# Altium PCB Version_2.PcbDoc (part 1 of 6)
Units mil, origin at the board's own origin, x right, y up, seen from the top; angles counter-clockwise.
Board outline 6692.91 x 6692.91 mil, 4 copper layers (Component Side, Ground Plane, Power, Solder Side), stack 33.234 mil thick; 798 components, 528 nets, 2533 pads, 836 vias.
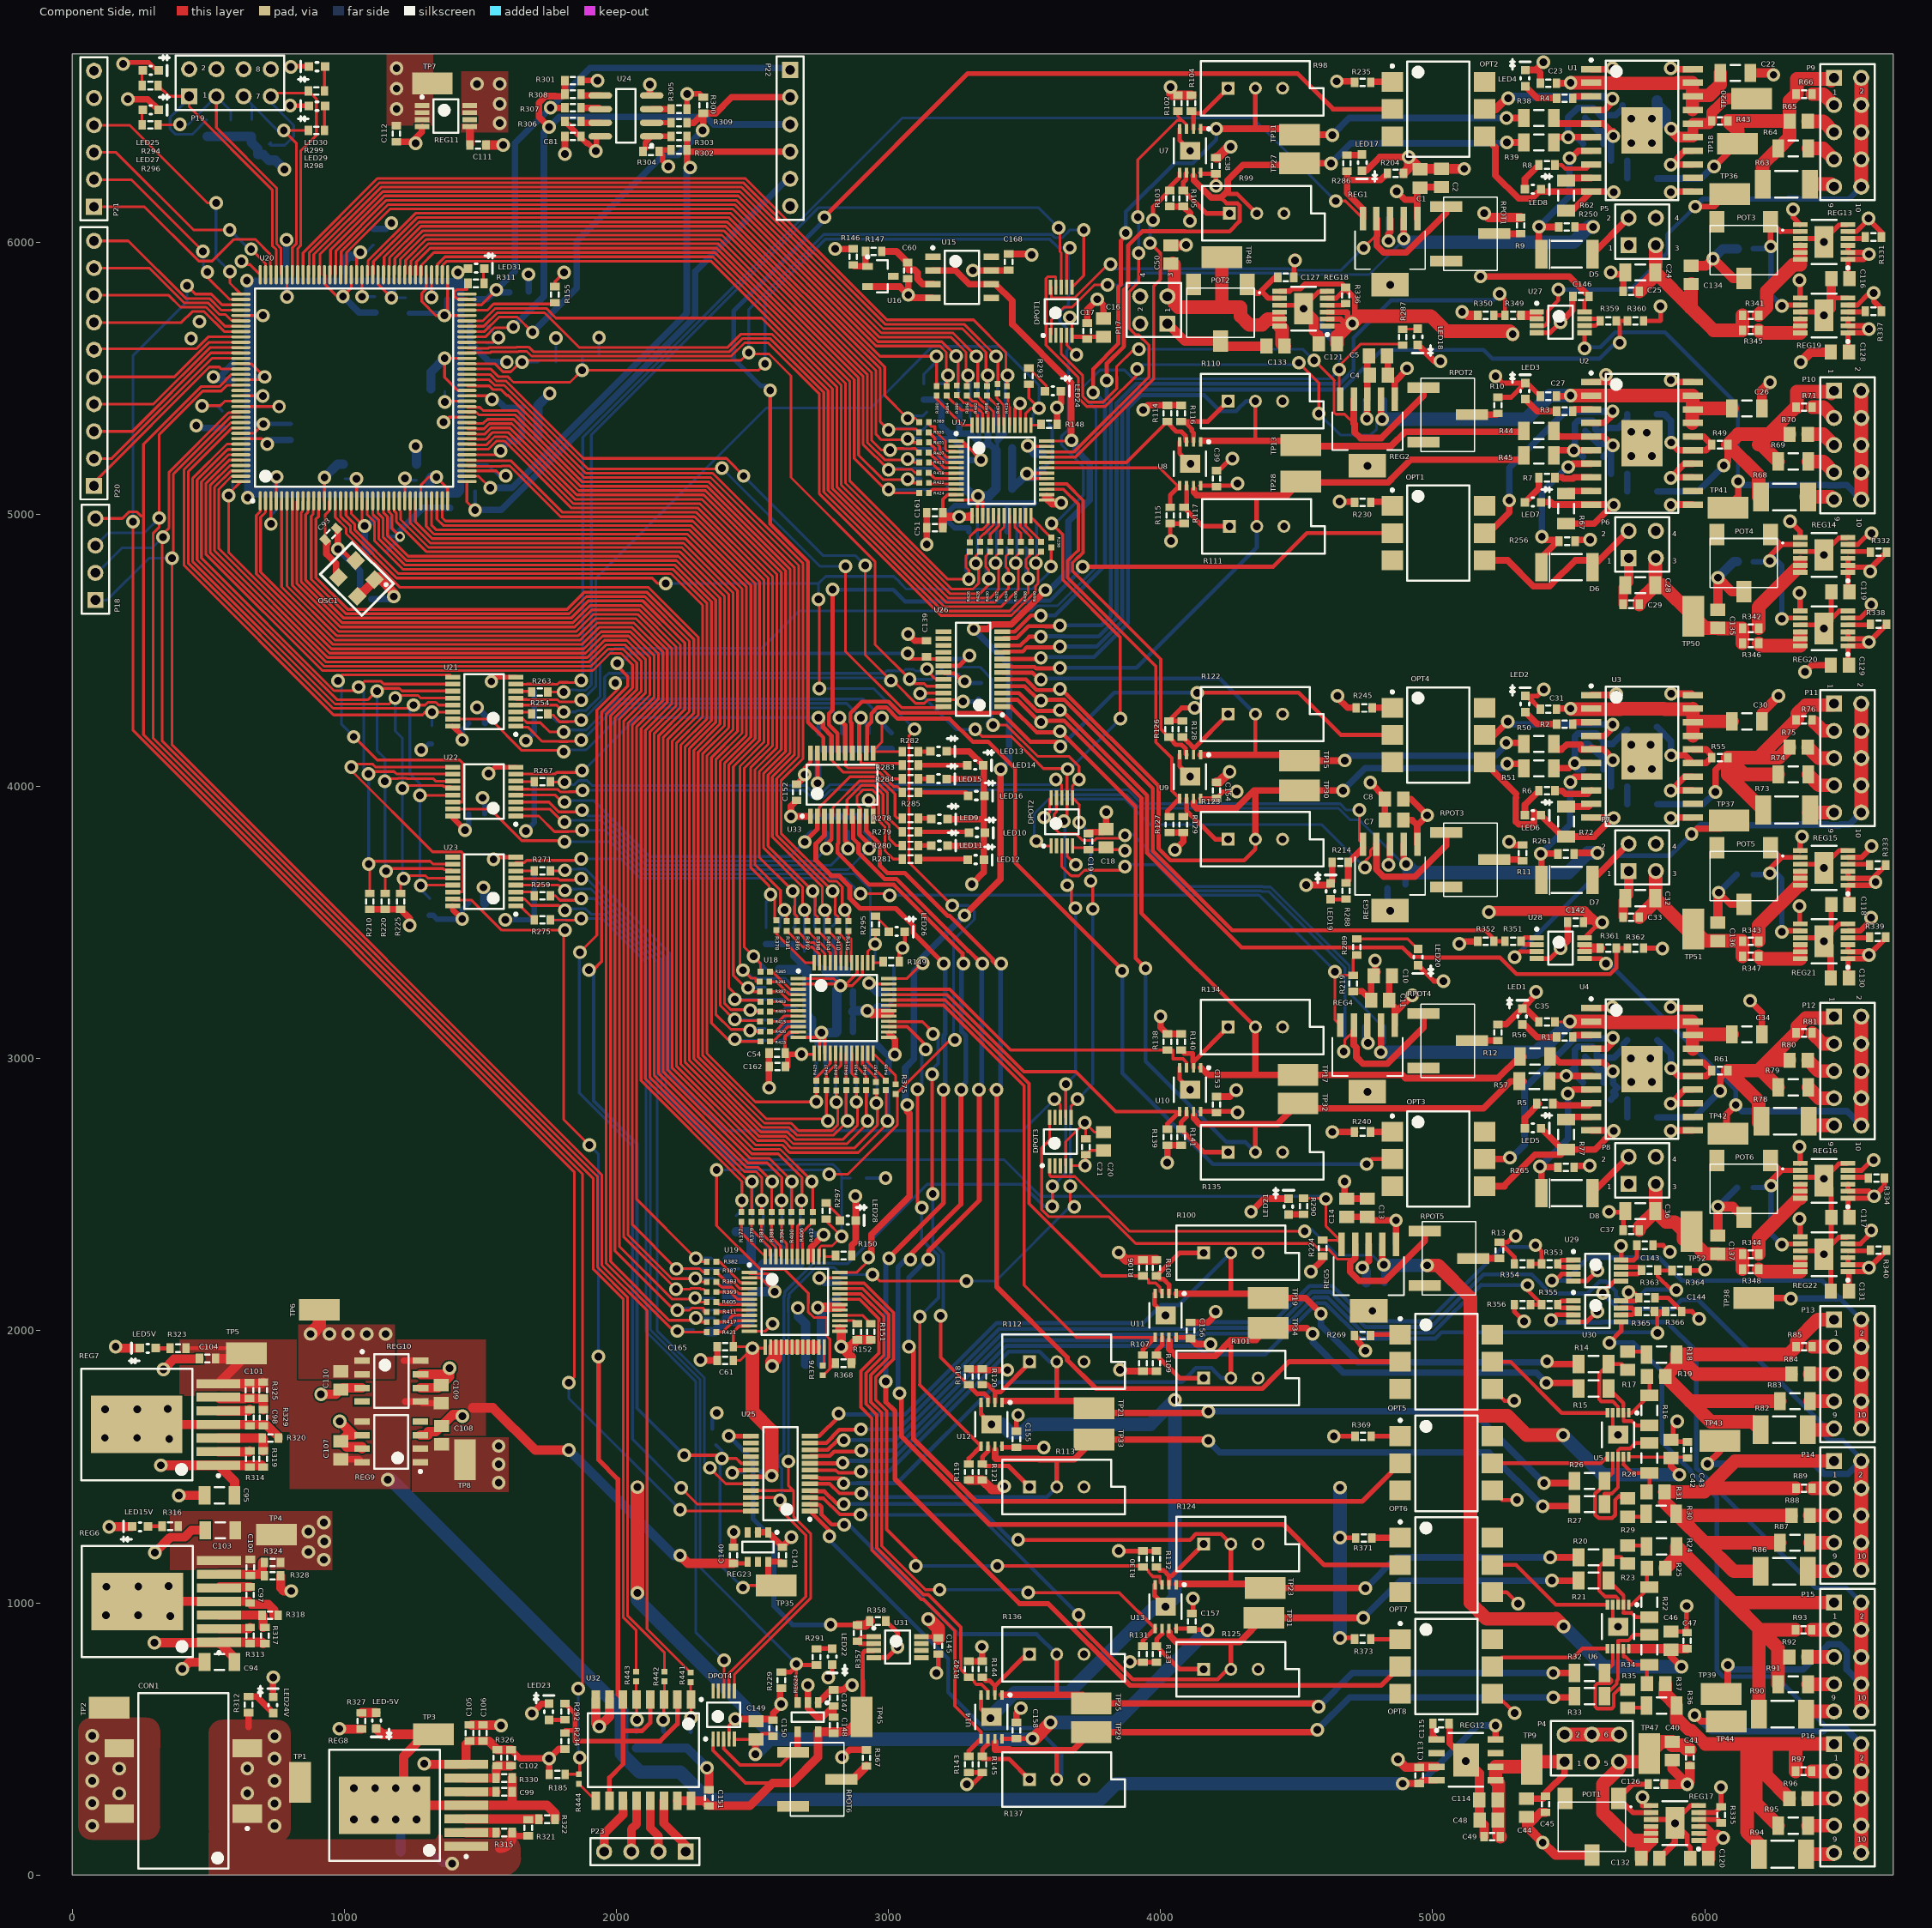
[diagram p0: Component Side view]
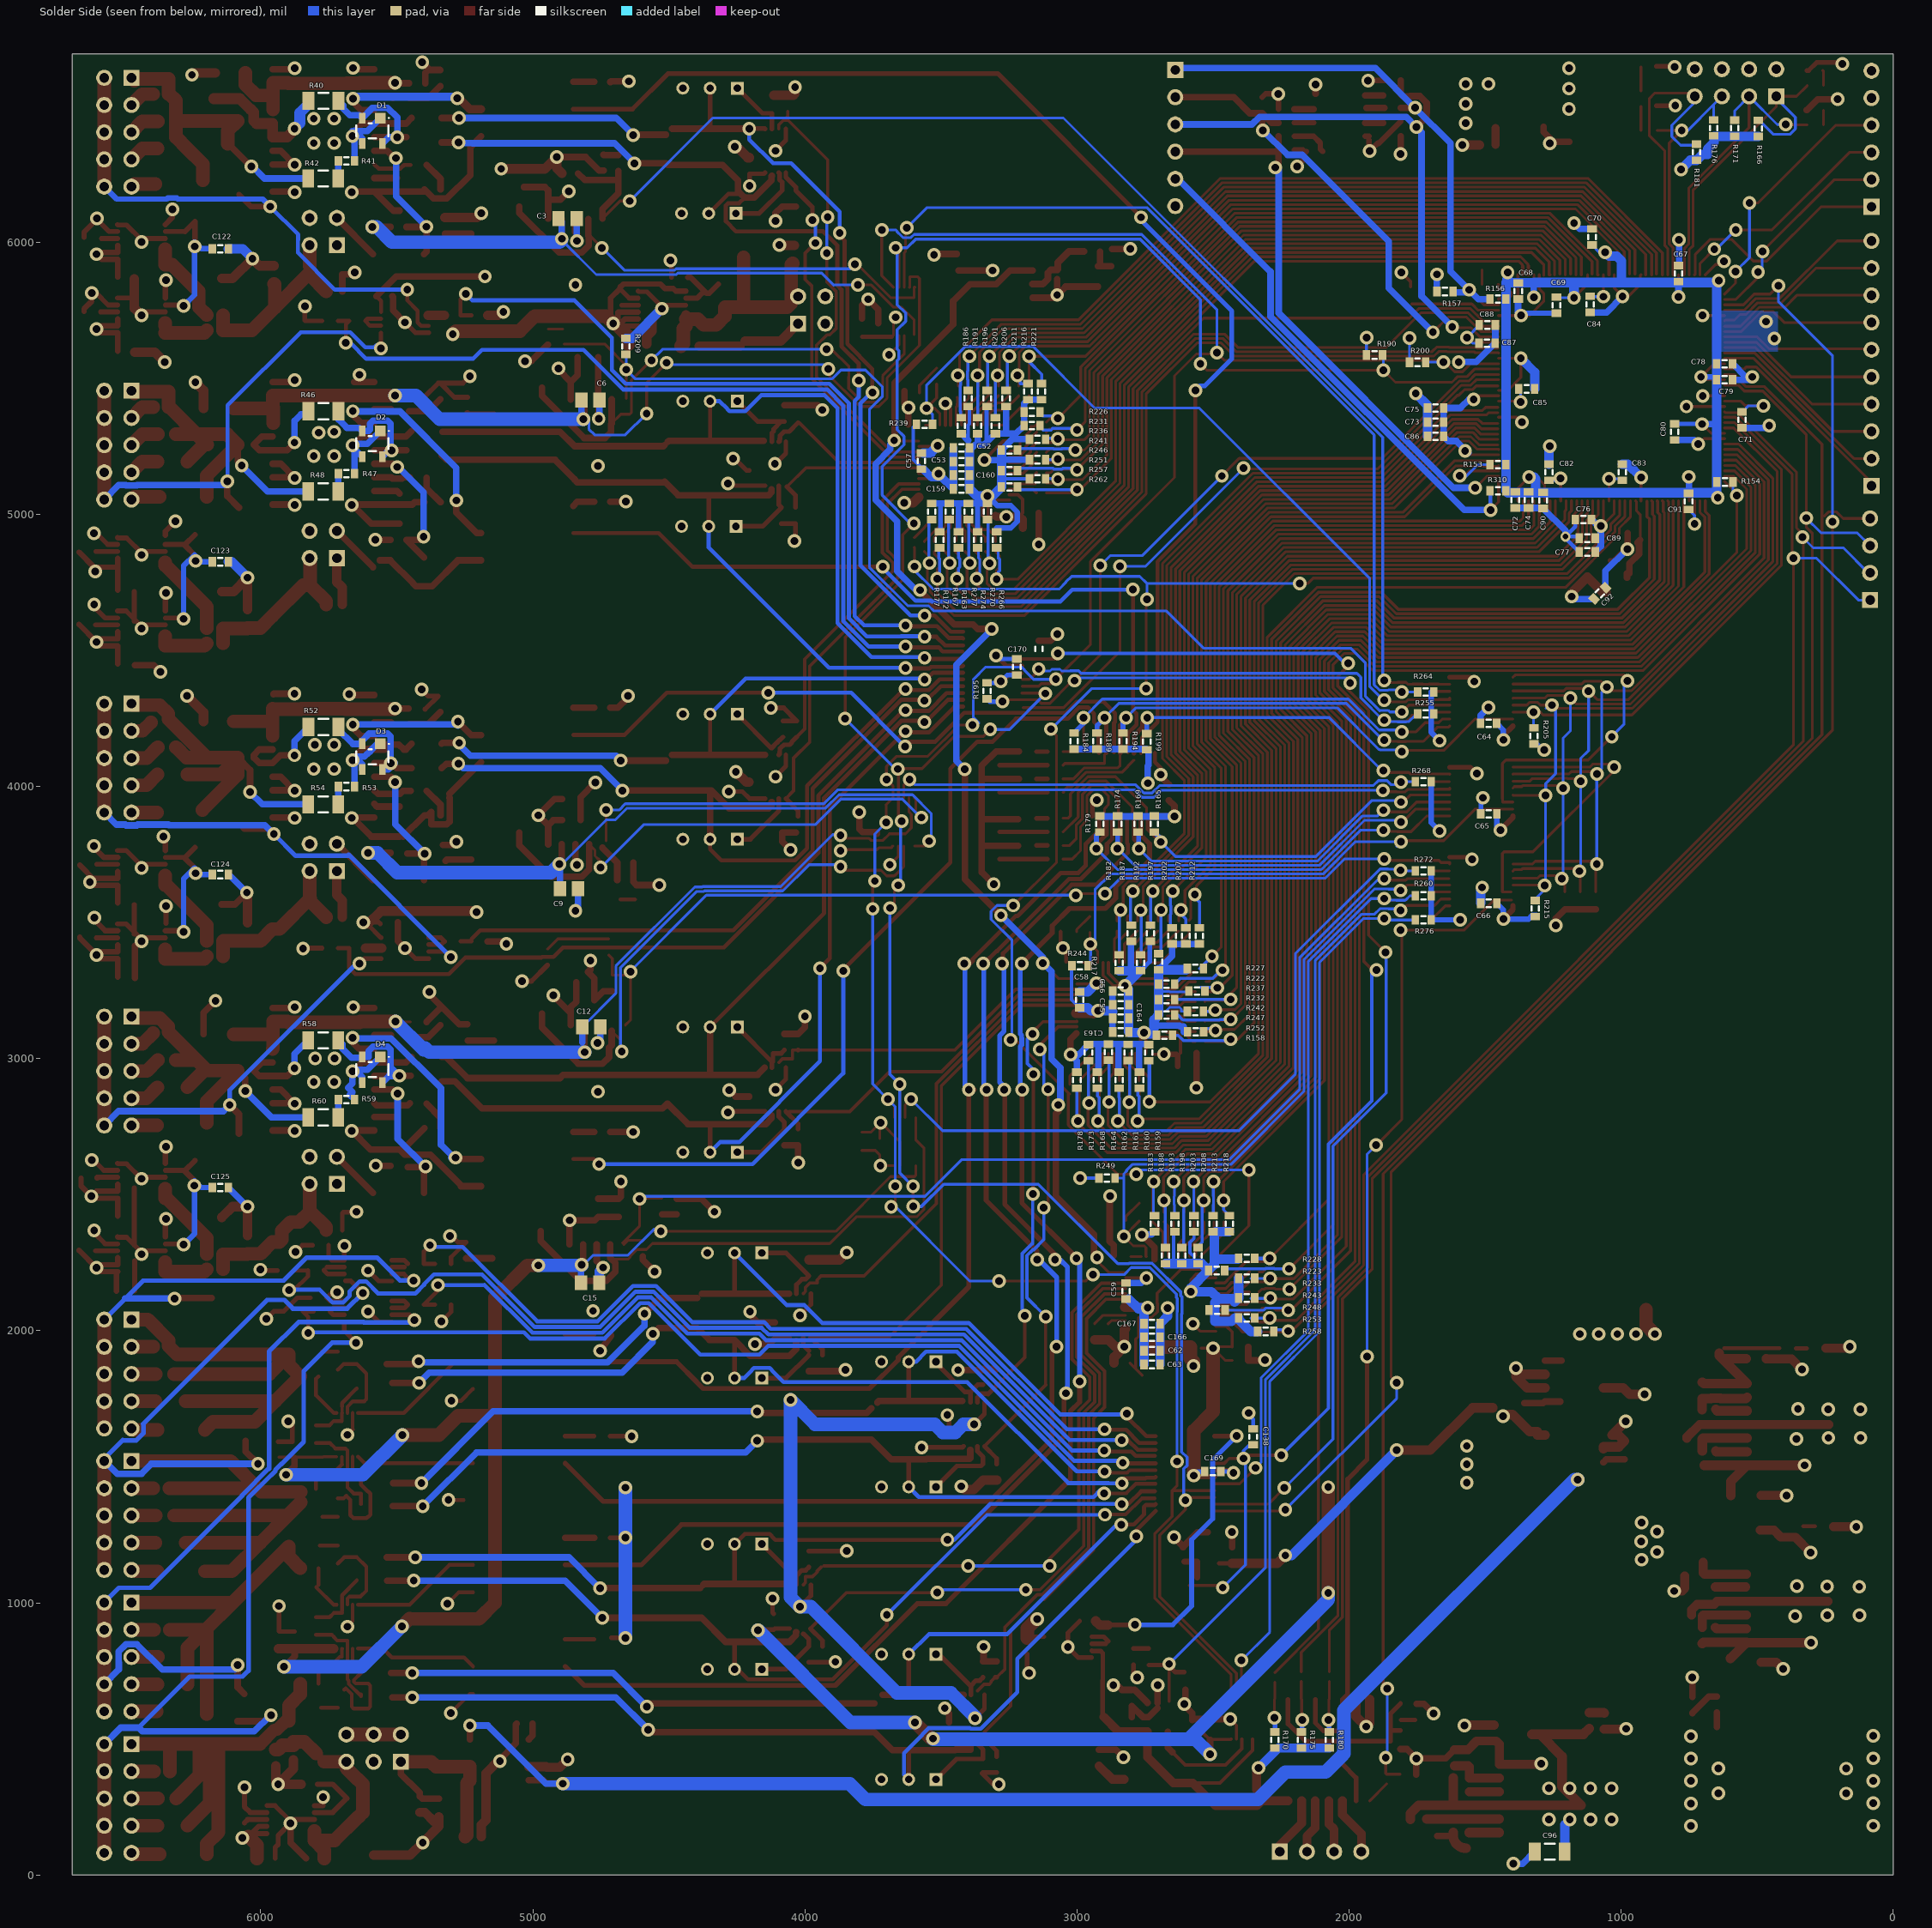
[diagram p1: Solder Side view, seen from below]
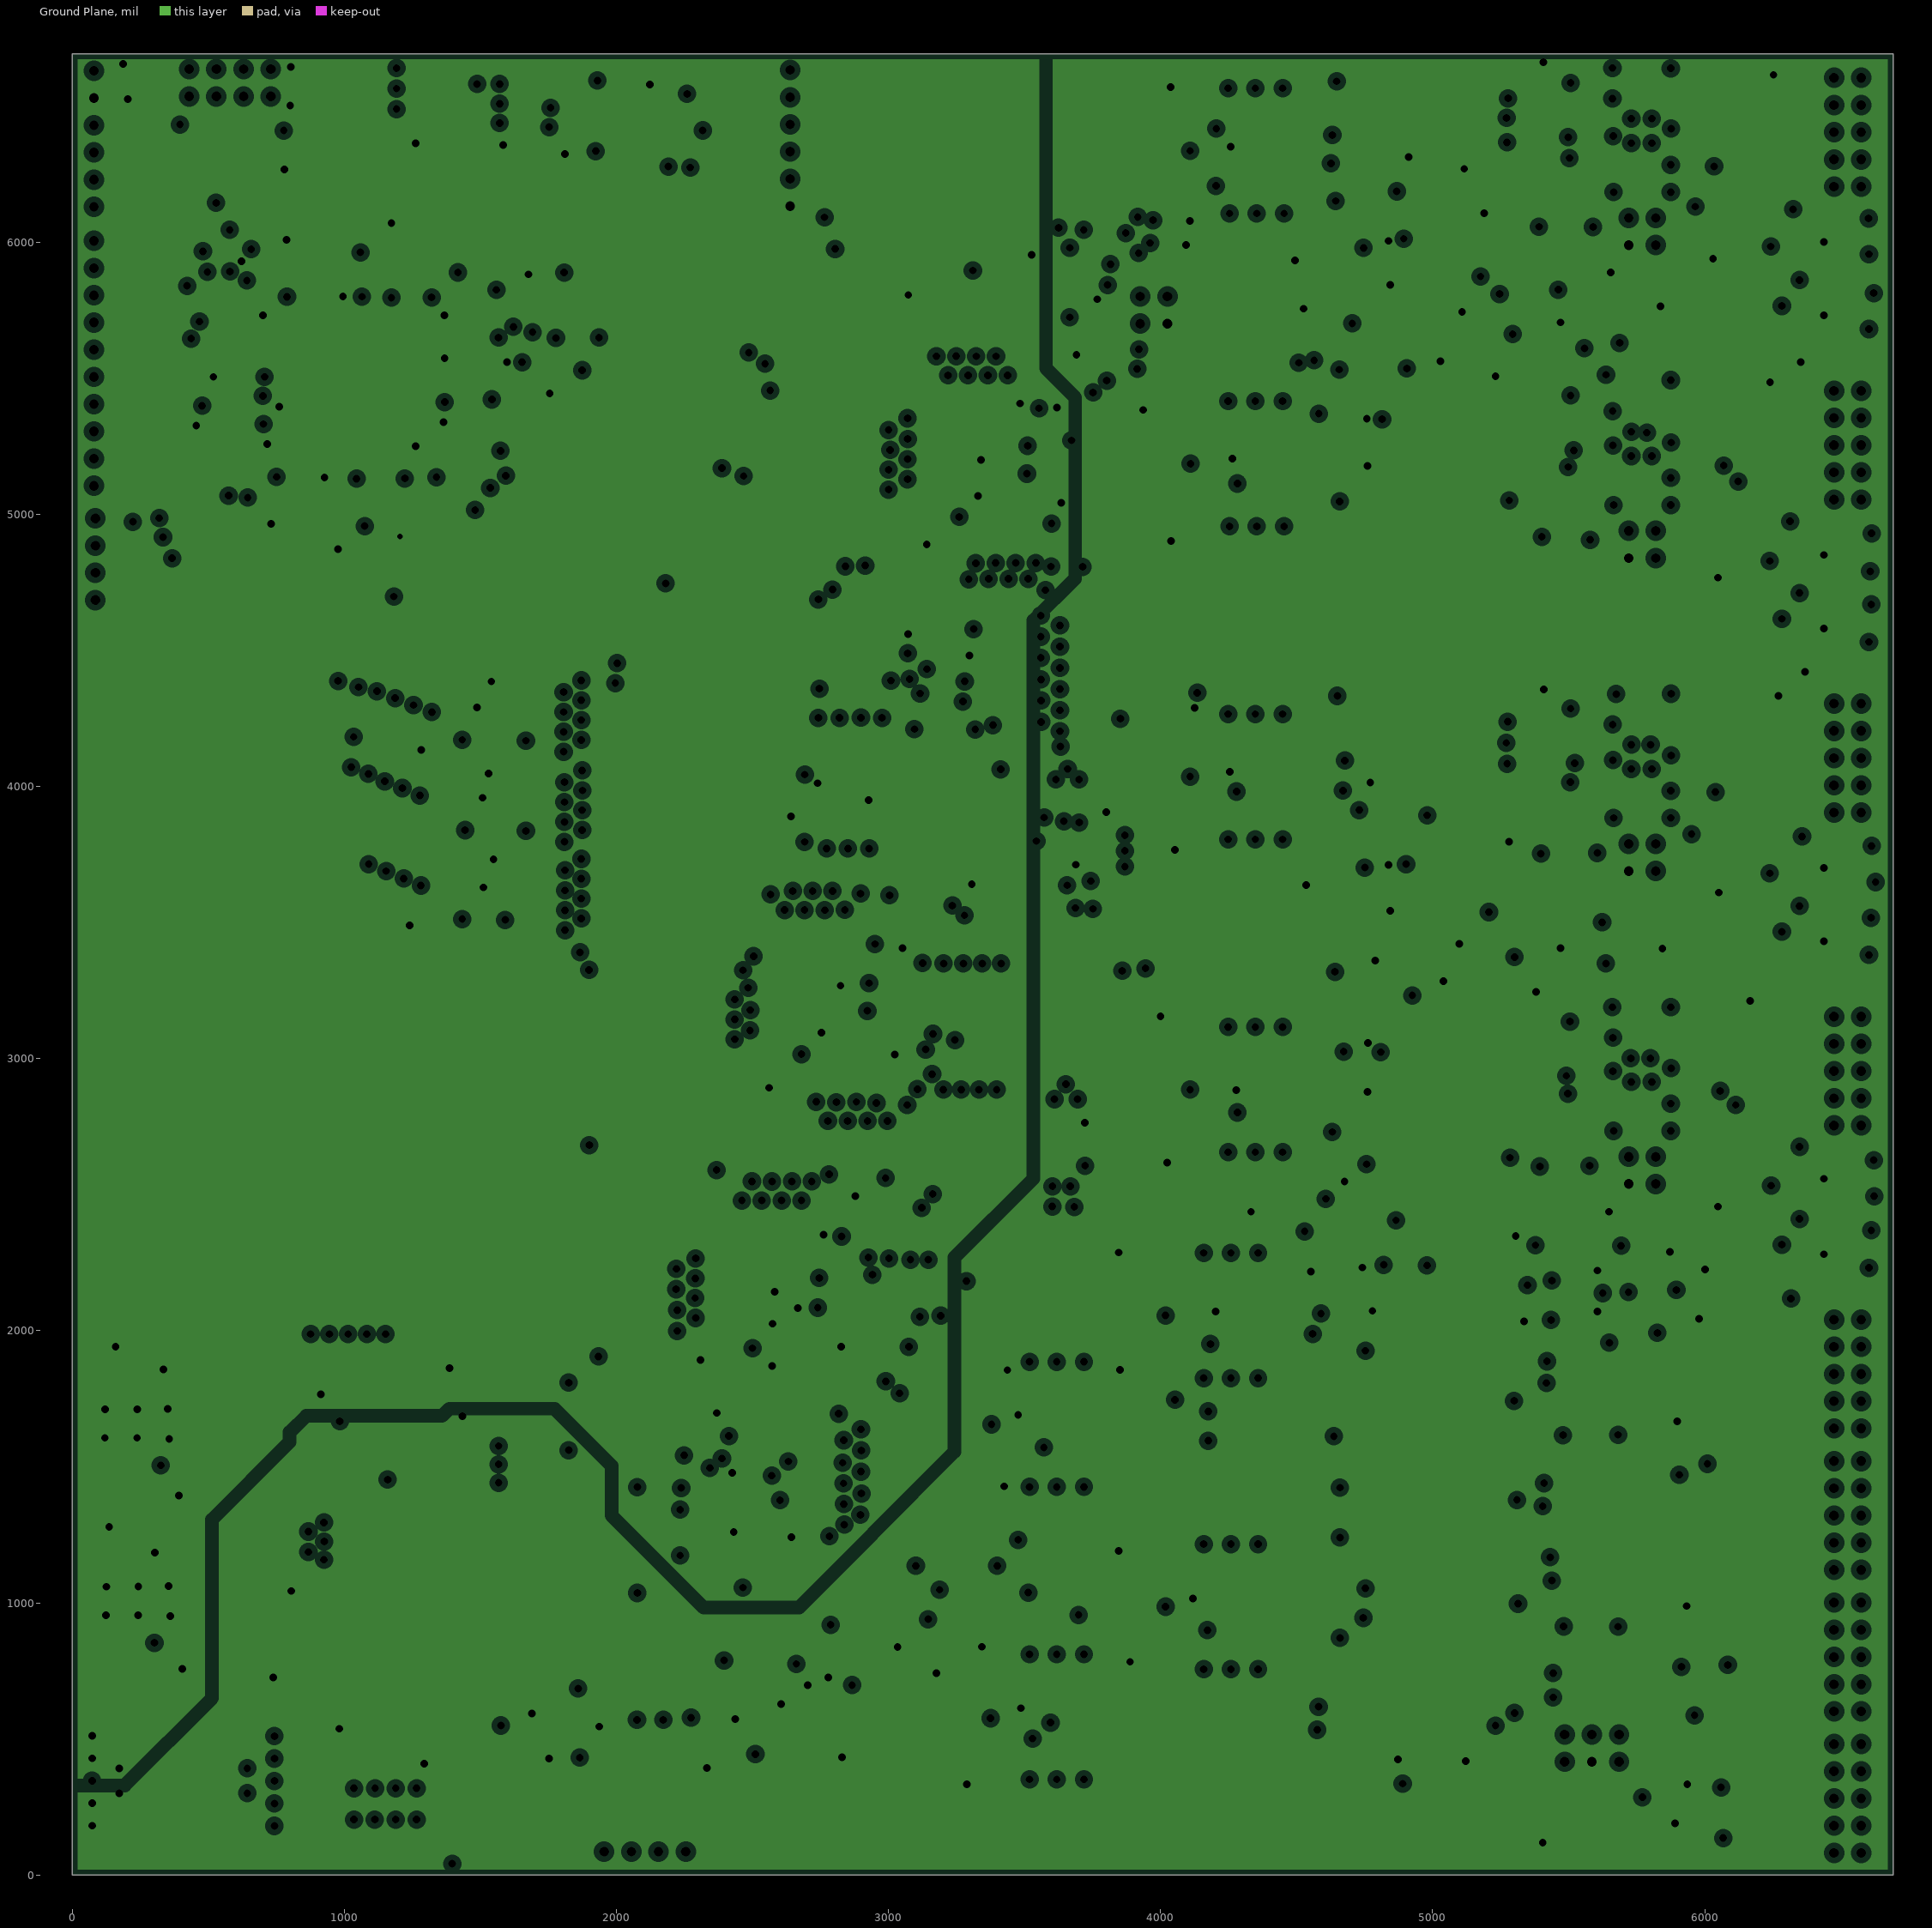
[diagram p2: Ground Plane, clearances drawn from the general rule]